# Altium PCB 4G.PcbDoc (continued)
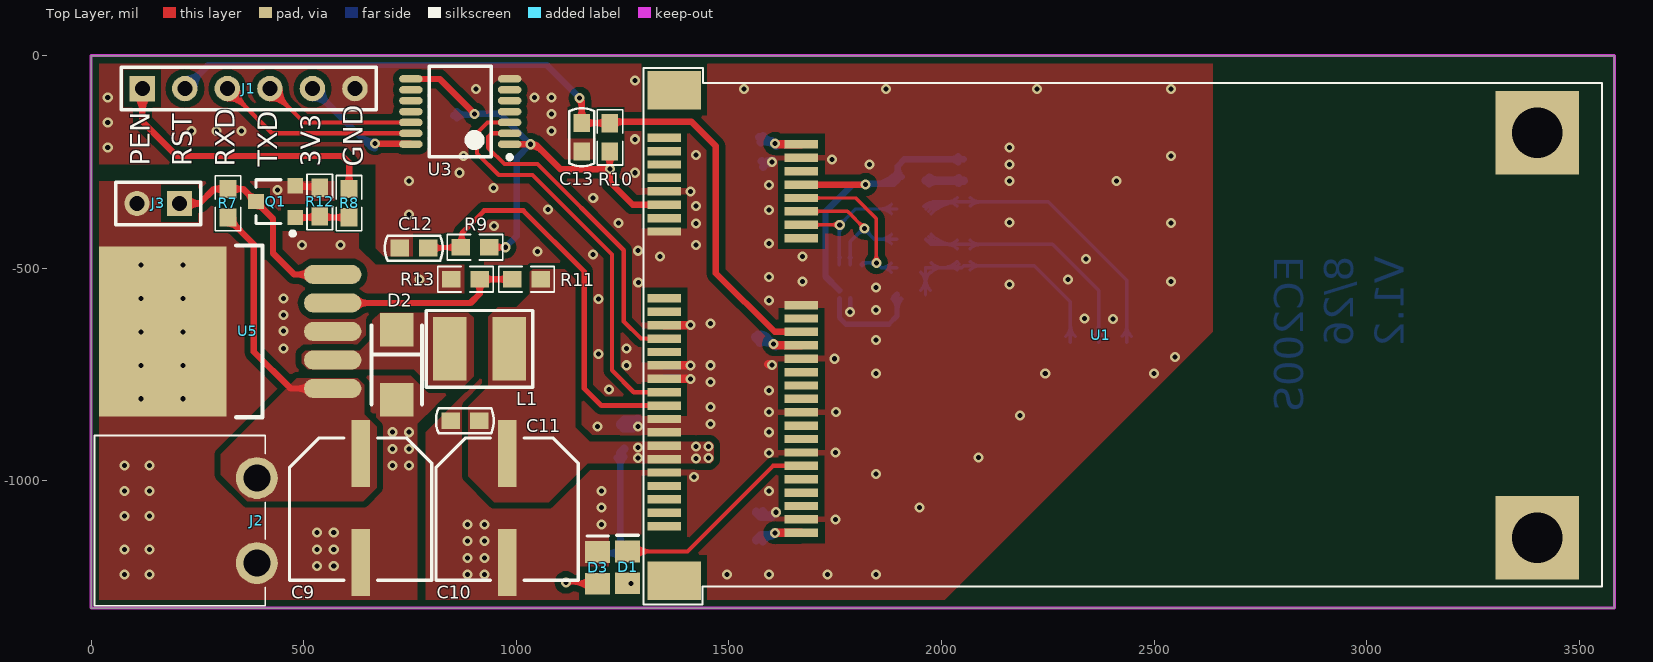
[diagram p0: Top Layer view]
## Nets (pads, with @x,y where several pads share a name; then routed paths per layer and width w, separated by ;. In a path a pad name is that pad's centre, name@x,y a point inside that pad or via, vN(x,y) a via of type N, cw(c..) or ccw(c..) an arc to the next point about the centre after c; other vN are vias at no path point) (continued)
  other v1: 885.83,-1220.47 925.2,-1220.47 1496.06,-1220.47 1594.49,-1220.47 1732.28,-1220.47 1846,-1220.47 885.83,-1181.1 925.2,-1181.1 885.83,-1141.73 925.2,-1141.73 885.83,-1102.36 925.2,-1102.36 1200.79,-1102.36 1751,-1091 1200.79,-1062.99 1948.82,-1062.99 1200.79,-1023.62 1594.49,-1023.62 1846,-984.25 2086.61,-944.88 1594,-935 1751,-933 1594,-885.83 1191.1,-872.14 1286,-872 1456.69,-866.14 2185.04,-846.46 1594,-838 1752,-838 1456.69,-826.77 1594,-787.4 1218,-785 1456.69,-767.72 1846,-748.03 2244.09,-748.03 2500,-748.03 1259.84,-728.35 1456.69,-728.35 1602,-728 1749,-713 2549.21,-708.66 1193,-702 1259.84,-688.98 1846,-669.29 1456.69,-629.92 2403,-620 2336.61,-618.11 1846,-598 1594.69,-575.93 1193,-572 1846,-545 2160,-538 1287,-534 1673.23,-531.5 2539.37,-531.5 2298,-527 1594.69,-520.5 2340,-478 1338.58,-472.44 1673.23,-472.44 1180.1,-467.76 1049.99,-460.76 1286,-459 1423,-446 1594.69,-441.76 947.88,-400.7 1423,-394.7 1240.16,-393.7 2539.37,-393.7 2160,-392.72 748.03,-374.02 1594.69,-363.02 1074.36,-362.02 1423,-354.33 1181.1,-334.65 1409.89,-319.21 947,-312 1594.69,-303.96 748.03,-295.28 2160,-295.28 2411.41,-295.28 866.14,-275.59 1279.53,-275.59 1830.71,-255.91 2160,-255.91 1742.97,-244.91 876,-236 2539.37,-236.22 1423.01,-234.22 39.37,-216.54 2160,-216.54 1279.53,-196.85 236.22,-177.17 295.28,-177.17 354.33,-177.17 1082.68,-177.17 39.37,-157.48 1082.68,-137.8 39.37,-98.43 1043.31,-98.43 1082.68,-98.43 905.51,-78.74 1535.43,-78.74 1870.08,-78.74 2224.41,-78.74 2539.37,-78.74 1279.53,-59.06
NetC2_2: C2.2 R1.2 U2.2 | length 1440.1
  Bottom Layer w8: R1.2 1979.05,-344.21 U2.2 2251.21,-344.21 2435.79,-528.79 C2.2 ; 2013.37,-344.21 cw(c2013.37,-377.33) 2036.78,-353.91 ccw(c2013.37,-377.33) 2013.37,-344.21 ; 2013.37,-344.21 ccw(c2013.37,-311.1) 2036.78,-334.51 cw(c2013.37,-311.1) 2013.37,-344.21 ; 2091.41,-344.21 cw(c2091.41,-311.1) 2067.99,-334.51 ccw(c2091.41,-311.1) 2091.41,-344.21 ; 2091.41,-344.21 ccw(c2091.41,-377.33) 2067.99,-353.91 cw(c2091.41,-377.33) 2091.41,-344.21 ; 2435.79,-633.96 cw(c2397.92,-633.96) 2424.7,-660.73 ccw(c2397.92,-633.96) 2435.79,-633.96 ; 2435.79,-633.95 ccw(c2473.66,-633.95) 2446.88,-660.73 cw(c2473.66,-633.95) 2435.79,-633.95 ; R1.2@1958.56,-354.91 cw(c1984.39,-380.73) 1984.39,-344.21 ccw(c1984.39,-380.73) R1.2@1958.56,-354.91 ; R1.2@1964.22,-360.56 cw(c2003.7,-400.04) 2003.7,-344.21 ccw(c2003.7,-400.04) R1.2@1964.22,-360.56 ; R1.2@1969.88,-366.22 cw(c2023.01,-419.36) 2023.01,-344.21 ccw(c2023.01,-419.36) R1.2@1969.88,-366.22 ; R1.2@1975.54,-371.88 cw(c2042.33,-438.67) 2042.33,-344.21 ccw(c2042.33,-438.67) R1.2@1975.54,-371.88
NetC3_2: C3.2 R2.2 U2.3 | length 1192.7
  Bottom Layer w8: R2.2 1974.9,-444.21 U2.3 2261.21,-444.21 2369.48,-552.48 C3.2 ; 2013.37,-444.21 cw(c2013.37,-477.33) 2036.78,-453.91 ccw(c2013.37,-477.33) 2013.37,-444.21 ; 2013.37,-444.21 ccw(c2013.37,-411.1) 2036.78,-434.51 cw(c2013.37,-411.1) 2013.37,-444.21 ; 2091.41,-444.21 cw(c2091.41,-411.1) 2067.99,-434.51 ccw(c2091.41,-411.1) 2091.41,-444.21 ; 2091.41,-444.21 ccw(c2091.41,-477.33) 2067.99,-453.91 cw(c2091.41,-477.33) 2091.41,-444.21 ; 2369.48,-633.95 cw(c2331.61,-633.95) 2358.39,-660.73 ccw(c2331.61,-633.95) 2369.48,-633.95 ; 2369.48,-633.95 ccw(c2407.35,-633.95) 2380.57,-660.73 cw(c2407.35,-633.95) 2369.48,-633.95 ; R2.2@1964.22,-432.01 ccw(c1993.68,-402.55) 1993.68,-444.21 cw(c1993.68,-402.55) R2.2@1964.22,-432.01 ; R2.2@1969.88,-426.35 ccw(c2013,-383.24) 2013,-444.21 cw(c2013,-383.24) R2.2@1969.88,-426.35 ; R2.2@1975.54,-420.7 ccw(c2032.31,-363.92) 2032.31,-444.21 cw(c2032.31,-363.92) R2.2@1975.54,-420.7
NetC4_1: C4.1 R3.2 R4.1 U2.6 | length 1266.5
  Bottom Layer w8: R4.1 R3.2 2047.81,-498.79 U2.6 2218.34,-494.21 2303.23,-579.1 C4.1 ; 1962.48,-536.65 cw(c2000.34,-536.65) 1973.57,-509.88 ccw(c2000.34,-536.65) 1962.48,-536.65 ; 1962.48,-536.65 ccw(c1924.61,-536.65) 1951.38,-509.88 cw(c1924.61,-536.65) 1962.48,-536.65 ; 1962.48,-524.8 cw(c1924.61,-524.8) 1951.38,-551.58 ccw(c1924.61,-524.8) 1962.48,-524.8 ; 1962.48,-524.8 ccw(c2000.34,-524.8) 1973.57,-551.58 cw(c2000.34,-524.8) 1962.48,-524.8 ; 2002.31,-498.79 cw(c2002.31,-460.92) 1975.54,-487.7 ccw(c2002.31,-460.92) 2002.31,-498.79 ; 2002.31,-498.79 ccw(c2002.31,-536.65) 1975.54,-509.88 cw(c2002.31,-536.65) 2002.31,-498.79 ; 2091.41,-494.21 cw(c2091.41,-461.1) 2067.99,-484.51 ccw(c2091.41,-461.1) 2091.41,-494.21 ; 2091.41,-494.21 ccw(c2091.41,-527.33) 2067.99,-503.91 cw(c2091.41,-527.33) 2091.41,-494.21 ; 2303.23,-633.95 cw(c2265.36,-633.95) 2292.14,-660.73 ccw(c2265.36,-633.95) 2303.23,-633.95 ; 2303.23,-633.95 ccw(c2341.1,-633.95) 2314.32,-660.73 cw(c2341.1,-633.95) 2303.23,-633.95 ; 2002.32,-498.79 ccw(c2002.32,-450.05) 2036.78,-484.51 cw(c2002.32,-450.05) 2002.32,-498.79 ; 2021.64,-498.79 ccw(c2021.64,-469.37) 2042.44,-490.17 cw(c2021.64,-469.37) 2021.64,-498.79 ; 2024.41,-498.79 cw(c2024.41,-516.28) 2036.78,-503.91 ccw(c2024.41,-516.28) 2024.41,-498.79
NetD1_1: D1.1 R5.2 | length 90.3
  Bottom Layer w8: R5.2@1239.55,-1237.56 1241.9,-1239.91 v1@1269.68,-1239.91 ; R5.2@1245.48,-1239.91 cw(c1245.48,-1266.33) 1264.16,-1247.65 ccw(c1245.48,-1266.33) R5.2@1245.48,-1239.91 ; R5.2@1256.18,-1239.91 ccw(c1256.18,-1228.62) 1264.16,-1236.6 cw(c1256.18,-1228.62) R5.2@1256.18,-1239.91
  other v1: 1269.68,-1242.13
NetD1_2: D1.2 U1.42 | length 695.2
  Top Layer w10: D1.2@1251.77,-1166.09 1402.81,-1166.09 1604.02,-964.88 U1.42 ; 1315.41,-1166.09 cw(c1315.41,-1116.38) 1280.26,-1151.53 ccw(c1315.41,-1116.38) 1315.41,-1166.09 ; 1315.41,-1166.09 ccw(c1315.41,-1215.8) 1280.26,-1180.65 cw(c1315.41,-1215.8) 1315.41,-1166.09 ; 1629.49,-964.88 cw(c1629.49,-976.57) 1637.76,-968.3 ccw(c1629.49,-976.57) 1629.49,-964.88 ; 1629.49,-964.88 ccw(c1629.49,-953.19) 1637.76,-961.46 cw(c1629.49,-953.19) 1629.49,-964.88
NetD2_2: D2.2 L1.1 U5.2
NetD3_1: D3.1 R15.1 | length 672.6
  Top Layer w8: D3.1@1191.44,-1240.11 1128.74,-1240.11 ; 1128.74,-1240.11 cw(c1128.74,-1235.55) 1124.38,-1236.87 ccw(c1128.74,-1235.55) 1128.74,-1240.11 ; 1128.74,-1240.11 ccw(c1128.74,-1245.99) 1123.66,-1243.04 cw(c1128.74,-1245.99) 1128.74,-1240.11 ; v1@1122.42,-1244.65 cw(c1133.38,-1255.61) 1133.38,-1240.11 ccw(c1133.38,-1255.61) v1@1122.42,-1244.65 ; v1@1122.42,-1233.61 ccw(c1138.13,-1217.89) 1138.13,-1240.11 cw(c1138.13,-1217.89) v1@1122.42,-1233.61 ; 1130.55,-1240.11 cw(c1130.55,-1299.07) 1172.24,-1257.38 ccw(c1130.55,-1299.07) 1130.55,-1240.11 ; 1140.21,-1240.11 ccw(c1140.21,-1194.82) 1172.24,-1226.85 cw(c1140.21,-1194.82) 1140.21,-1240.11 ; 1149.87,-1240.11 cw(c1149.87,-1279.75) 1177.9,-1251.72 ccw(c1149.87,-1279.75) 1149.87,-1240.11 ; 1159.52,-1240.11 ccw(c1159.52,-1214.13) 1177.9,-1232.5 cw(c1159.52,-1214.13) 1159.52,-1240.11
  Bottom Layer w8: v1(1116.9,-1239.13) 1160.77,-1239.13 R15.1@1163.98,-1235.92 ; 1135.76,-1239.13 cw(c1135.76,-1220.27) 1122.42,-1233.61 ccw(c1135.76,-1220.27) 1135.76,-1239.13 ; 1135.76,-1239.13 ccw(c1135.76,-1257.99) 1122.42,-1244.65 cw(c1135.76,-1257.99) 1135.76,-1239.13 ; 1141.27,-1239.13 cw(c1141.27,-1279.6) 1169.89,-1250.98 ccw(c1141.27,-1279.6) 1141.27,-1239.13 ; 1144.95,-1239.13 ccw(c1144.95,-1203.87) 1169.89,-1228.8 cw(c1144.95,-1203.87) 1144.95,-1239.13 ; 1160.58,-1239.13 cw(c1160.58,-1260.29) 1175.54,-1245.33 ccw(c1160.58,-1260.29) 1160.58,-1239.13
NetQ1_1: Q1.1 R8.2 R12.1 | length 481.4
  Top Layer w15: Q1.1 480.57,-380.86 606.69,-380.86 R8.2 ; Q1.1@488.6,-388.26 cw(c506.48,-406.14) 506.48,-380.86 ccw(c506.48,-406.14) Q1.1@488.6,-388.26 ; Q1.1@488.6,-373.82 ccw(c505.6,-356.81) 505.6,-380.86 cw(c505.6,-356.81) Q1.1@488.6,-373.82 ; 505.86,-380.86 ccw(c505.86,-347.78) 529.24,-371.17 cw(c505.86,-347.78) 505.86,-380.86 ; 511.03,-380.86 cw(c511.03,-406.62) 529.24,-388.4 ccw(c511.03,-406.62) 511.03,-380.86 ; R12.1@546.47,-388.4 cw(c564.69,-406.62) 564.69,-380.86 ccw(c564.69,-406.62) R12.1@546.47,-388.4 ; R12.1@546.47,-371.17 ccw(c569.86,-347.78) 569.86,-380.86 cw(c569.86,-347.78) R12.1@546.47,-371.17 ; 577.02,-380.86 ccw(c577.02,-350.82) 598.26,-372.06 cw(c577.02,-350.82) 577.02,-380.86 ; 577.89,-380.86 cw(c577.89,-409.66) 598.26,-389.29 ccw(c577.89,-409.66) 577.89,-380.86
NetR11_2: R11.2 R13.2 U5.4 | length 856.3
  Top Layer w15: U5.4 892.37,-581.85 914.27,-559.96 R13.2 R11.2 ; 649.58,-581.85 cw(c649.58,-545.64) 623.98,-571.25 ccw(c649.58,-545.64) 649.58,-581.85 ; 649.58,-581.85 ccw(c649.58,-618.07) 623.98,-592.46 cw(c649.58,-618.07) 649.58,-581.85 ; 914.27,-555.57 cw(c943.69,-555.57) 922.89,-534.77 ccw(c943.69,-555.57) 914.27,-555.57 ; 914.27,-555.57 ccw(c884.86,-555.57) 905.66,-534.77 cw(c884.86,-555.57) 914.27,-555.57 ; 945.66,-526.15 cw(c945.66,-496.74) 924.86,-517.54 ccw(c945.66,-496.74) 945.66,-526.15 ; 945.66,-526.15 ccw(c945.66,-555.57) 924.86,-534.77 cw(c945.66,-555.57) 945.66,-526.15 ; 959.4,-526.15 cw(c959.4,-555.57) 980.21,-534.77 ccw(c959.4,-555.57) 959.4,-526.15 ; 959.4,-526.15 ccw(c959.4,-496.74) 980.21,-517.54 cw(c959.4,-496.74) 959.4,-526.15
POWER_EN: J1.1 R8.1 | length 928.2
  Top Layer w15: J1.1 120.75,-154.97 201.99,-236.22 590.55,-236.22 606.87,-252.54 R8.1 ; 120.75,-131.93 cw(c175.07,-131.93) 136.66,-93.52 ccw(c175.07,-131.93) 120.75,-131.93 ; 120.75,-131.93 ccw(c66.43,-131.93) 104.84,-93.52 cw(c66.43,-131.93) 120.75,-131.93 ; 606.87,-282.36 cw(c577.46,-282.36) 598.26,-303.16 ccw(c577.46,-282.36) 606.87,-282.36 ; 606.87,-282.36 ccw(c636.29,-282.36) 615.49,-303.16 cw(c636.29,-282.36) 606.87,-282.36
POWER_EN_OUT: J3.1 Q1.3 R7.2 U5.5 | length 1099.4
  Top Layer w15: J3.1 255.57,-347.66 ; U5.5 477.63,-514.85 428,-465.23 428,-383.76 399.07,-354.84 399.07,-353.85 388.86,-343.64 Q1.3 386.89,-343.64 376.67,-333.42 376.67,-332.44 358.08,-313.84 289.39,-313.84 255.57,-347.66 ; 255.57,-347.66 cw(c255.57,-307.56) 224.94,-333.44 ccw(c255.57,-307.56) 255.57,-347.66 ; 255.57,-347.66 ccw(c255.57,-387.75) 224.94,-361.87 cw(c255.57,-387.75) 255.57,-347.66 ; 292.71,-313.84 cw(c292.71,-343.26) 313.51,-322.46 ccw(c292.71,-343.26) 292.71,-313.84 ; 292.71,-313.84 ccw(c292.71,-284.43) 313.51,-305.23 cw(c292.71,-284.43) 292.71,-313.84 ; 351.54,-313.84 cw(c351.54,-284.43) 330.74,-305.23 ccw(c351.54,-284.43) 351.54,-313.84 ; 351.54,-313.84 ccw(c351.54,-343.26) 330.74,-322.46 cw(c351.54,-343.26) 351.54,-313.84 ; 487.16,-514.85 cw(c487.16,-551.07) 512.76,-525.46 ccw(c487.16,-551.07) 487.16,-514.85 ; 487.16,-514.85 ccw(c487.16,-478.64) 512.76,-504.25 cw(c487.16,-478.64) 487.16,-514.85 ; 368.75,-324.52 cw(c349.63,-343.64) 376.67,-343.64 ccw(c349.63,-343.64) 368.75,-324.52 ; Q1.3@371.13,-326.89 ccw(c386.89,-311.13) 386.89,-333.42 cw(c386.89,-311.13) Q1.3@371.13,-326.89 ; Q1.3@388.86,-353.85 cw(c388.86,-376.14) 404.62,-360.38 ccw(c388.86,-376.14) Q1.3@388.86,-353.85 ; Q1.3@399.07,-343.64 ccw(c426.12,-343.64) 406.99,-362.76 cw(c426.12,-343.64) Q1.3@399.07,-343.64
RST_KEY: C12.2 R9.1 U1.33 | length 1268.8
  Top Layer w12: C12.2 793.82,-451.73 868.64,-451.73 872.29,-448.08 872.29,-417.33 ; U1.33 1347.82,-823.09 1200.15,-823.09 1160,-782.94 1160,-507.94 1016.76,-364.7 924.91,-364.7 872.29,-417.33 ; 872.29,-417.33 cw(c839.96,-417.33) 862.16,-440.83 ccw(c839.96,-417.33) 872.29,-417.33 ; C12.2@804.41,-462.46 cw(c830.32,-488.37) 830.32,-451.73 ccw(c830.32,-488.37) C12.2@804.41,-462.46 ; C12.2@804.41,-443.11 ccw(c825.22,-422.29) 825.22,-451.73 cw(c825.22,-422.29) C12.2@804.41,-443.11 ; 832.3,-451.73 ccw(c832.3,-415.46) 857.94,-441.11 cw(c832.3,-415.46) 832.3,-451.73 ; 836.86,-451.73 cw(c836.86,-481.54) 857.94,-460.46 ccw(c836.86,-481.54) 836.86,-451.73 ; 872.29,-419.51 ccw(c902.82,-419.51) 881.23,-441.11 cw(c902.82,-419.51) 872.29,-419.51
RST_MCU: C13.1 J1.2 R10.2 U1.22 | length 2527.1
  Top Layer w15: v1(1149.18,-99.97) 1149.18,-102.3 1154.25,-107.37 C13.1 1154.31,-158.71 1215.29,-158.71 R10.2@1219.76,-154.25 ; R10.2@1219.23,-155.23 1412,-155.23 1469.49,-212.72 1469.49,-511.72 1607.69,-649.92 U1.22 ; 1154.25,-127.27 cw(c1124.83,-127.27) 1145.63,-148.07 ccw(c1124.83,-127.27) 1154.25,-127.27 ; 1154.25,-127.27 ccw(c1183.67,-127.27) 1162.87,-148.07 cw(c1183.67,-127.27) 1154.25,-127.27 ; v1@1146.13,-103.01 cw(c1126.53,-122.62) 1154.25,-122.62 ccw(c1126.53,-122.62) v1@1146.13,-103.01 ; C13.1@1162.87,-167.27 cw(c1183.52,-187.92) 1183.52,-158.71 ccw(c1183.52,-187.92) C13.1@1162.87,-167.27 ; C13.1@1162.87,-150.03 ccw(c1183.82,-129.08) 1183.82,-158.71 cw(c1183.82,-129.08) C13.1@1162.87,-150.03 ; 1190.66,-158.71 cw(c1190.66,-188.34) 1211.61,-167.39 ccw(c1190.66,-188.34) 1190.66,-158.71 ; 1190.96,-158.71 ccw(c1190.96,-129.51) 1211.61,-150.16 cw(c1190.96,-129.51) 1190.96,-158.71 ; R10.2@1228.85,-165.42 cw(c1253.46,-190.03) 1253.46,-155.23 ccw(c1253.46,-190.03) R10.2@1228.85,-165.42 ; R10.2@1228.85,-148.19 ccw(c1245.84,-131.2) 1245.84,-155.23 cw(c1245.84,-131.2) R10.2@1228.85,-148.19
  Bottom Layer w15: J1.2 276.13,-22.23 1071.44,-22.23 v1(1149.18,-99.97) ; 259.16,-39.2 cw(c220.75,-0.79) 220.75,-55.11 ccw(c220.75,-0.79) 259.16,-39.2 ; 259.16,-39.2 ccw(c297.57,-77.61) 243.25,-77.61 cw(c297.57,-77.61) 259.16,-39.2
RXD: J1.3 U3.13 | length 807.8
  Top Layer w10: J1.3 426.1,-182.97 U3.13 ; 346.35,-103.21 cw(c371.96,-77.61) 335.75,-77.61 ccw(c371.96,-77.61) 346.35,-103.21 ; 346.35,-103.21 ccw(c320.75,-128.82) 320.75,-92.61 cw(c320.75,-128.82) 346.35,-103.21 ; 363.42,-120.29 cw(c406.1,-77.61) 345.75,-77.61 ccw(c406.1,-77.61) 363.42,-120.29 ; 363.42,-120.29 ccw(c320.75,-162.96) 320.75,-102.61 cw(c320.75,-162.96) 363.42,-120.29 ; 724.29,-182.97 cw(c724.29,-192.28) 730.88,-185.69 ccw(c724.29,-192.28) 724.29,-182.97 ; 724.29,-182.97 ccw(c724.29,-173.65) 730.88,-180.24 cw(c724.29,-173.65) 724.29,-182.97
SIM: C1.1 R4.2 U1.8 U2.1 U4.3 | length 1388.5
  Top Layer w15: U1.8 v1(1821.6,-303.46)
  Bottom Layer w12: U4.3 1759.84,-616.14 1775.59,-631.89 1875.98,-631.89 1895.55,-612.32 R4.2 ; 1895.55,-595.71 cw(c1928.59,-595.71) 1905.22,-572.35 ccw(c1928.59,-595.71) 1895.55,-595.71 ; 1895.55,-595.71 ccw(c1862.51,-595.71) 1885.87,-572.35 cw(c1862.51,-595.71) 1895.55,-595.71
  Bottom Layer w15: U4.3@1759.84,-552.17 1727.36,-519.68 1727.36,-367.13 1790.76,-303.72 1821.34,-303.72 v1(1821.6,-303.46) 1823.25,-301.81 1887.48,-301.81 C1.1 1896.83,-292.46 1896.83,-260.23 1912.85,-244.21 U2.1 ; R4.2@1888.33,-569.88 R4.2 ; 2021.82,-244.21 cw(c2021.82,-268.88) 2039.26,-251.44 ccw(c2021.82,-268.88) 2021.82,-244.21 ; 2021.82,-244.21 ccw(c2021.82,-219.55) 2039.26,-236.99 cw(c2021.82,-219.55) 2021.82,-244.21 ; v1@1824.65,-306.51 cw(c1835.99,-317.85) 1835.99,-301.81 ccw(c1835.99,-317.85) v1@1824.65,-306.51 ; 1844.57,-301.81 ccw(c1844.57,-244.57) 1885.04,-285.05 cw(c1844.57,-244.57) 1844.57,-301.81 ; C1.1@1888.98,-285.05 ccw(c1870.02,-266.09) 1896.83,-266.09 cw(c1870.02,-266.09) C1.1@1888.98,-285.05 ; 1896.83,-262.4 ccw(c1928.85,-262.4) 1906.21,-285.05 cw(c1928.85,-262.4) 1896.83,-262.4
SIM_CLK: R2.1 U1.12 U4.5 | length 715.9
  Top Layer w8: U1.12 1779.06,-366.45 1818.25,-405.65 v1(1818.83,-406.23) ; 1714.34,-366.45 cw(c1714.34,-352.35) 1704.37,-362.32 ccw(c1714.34,-352.35) 1714.34,-366.45 ; 1714.34,-366.45 ccw(c1714.34,-380.56) 1704.37,-370.58 cw(c1714.34,-380.56) 1714.34,-366.45 ; 1805.5,-392.89 cw(c1792.16,-406.23) 1811.02,-406.23 ccw(c1792.16,-406.23) 1805.5,-392.89 ; 1805.5,-392.89 ccw(c1818.83,-379.56) 1818.83,-398.42 cw(c1818.83,-379.56) 1805.5,-392.89
  Bottom Layer w8: U4.5 1785.43,-437.31 1816.51,-406.23 1816.66,-406.23 1842.22,-431.79 R2.1 ; 1785.43,-470.39 cw(c1778.45,-470.39) 1783.39,-475.32 ccw(c1778.45,-470.39) 1785.43,-470.39 ; 1785.43,-470.39 ccw(c1792.41,-470.39) 1787.47,-475.32 cw(c1792.41,-470.39) 1785.43,-470.39 ; v1@1818.83,-414.04 cw(c1818.83,-427.65) 1828.46,-418.03 ccw(c1818.83,-427.65) v1@1818.83,-414.04 ; v1@1818.83,-414.04 ccw(c1818.83,-438.49) 1801.54,-421.2 cw(c1818.83,-438.49) v1@1818.83,-414.04 ; 1855.71,-431.79 cw(c1855.71,-469.65) 1882.49,-442.88 ccw(c1855.71,-469.65) 1855.71,-431.79 ; 1855.71,-431.79 ccw(c1855.71,-393.92) 1882.49,-420.7 cw(c1855.71,-393.92) 1855.71,-431.79 ; 1807.14,-415.6 ccw(c1797.76,-406.23) 1811.02,-406.23 cw(c1797.76,-406.23) 1807.14,-415.6 ; v1@1826.64,-406.23 ccw(c1850.75,-406.23) 1833.7,-423.27 cw(c1850.75,-406.23) v1@1826.64,-406.23
SIM_DATA: R3.1 U1.10 U4.6 | length 698
  Top Layer w8: U1.10 1798.54,-334.96 1846.83,-383.25 v1(1846.83,-487.51) ; 1714.34,-334.96 cw(c1714.34,-320.85) 1704.37,-330.83 ccw(c1714.34,-320.85) 1714.34,-334.96 ; 1714.34,-334.96 ccw(c1714.34,-349.06) 1704.37,-339.09 cw(c1714.34,-349.06) 1714.34,-334.96 ; 1846.83,-468.66 cw(c1827.97,-468.66) 1841.31,-481.99 ccw(c1827.97,-468.66) 1846.83,-468.66 ; 1846.83,-468.66 ccw(c1865.69,-468.66) 1852.36,-481.99 cw(c1865.69,-468.66) 1846.83,-468.66
  Bottom Layer w8: U4.6 1811.02,-491.11 1814.62,-487.51 v1(1846.83,-487.51) 1858.11,-498.79 ; R3.1 1858.11,-498.79 ; 1827.97,-487.51 cw(c1827.97,-506.37) 1841.31,-493.04 ccw(c1827.97,-506.37) 1827.97,-487.51 ; 1827.97,-487.51 ccw(c1827.97,-468.66) 1841.31,-481.99 cw(c1827.97,-468.66) 1827.97,-487.51 ; 1858.11,-498.79 cw(c1858.11,-531.05) 1881.98,-509.34 ccw(c1858.11,-531.05) 1858.11,-498.79 ; 1858.11,-498.79 ccw(c1858.11,-466.52) 1881.98,-488.23 cw(c1858.11,-466.52) 1858.11,-498.79 ; U4.6@1813.06,-494.17 cw(c1829.13,-510.24) 1829.13,-487.51 ccw(c1829.13,-510.24) U4.6@1813.06,-494.17
SIM_RST: R1.1 U1.14 U4.4 | length 697.7
  Top Layer w8: U1.14 v1(1760.82,-397.95) ; 1714.34,-397.95 cw(c1714.34,-383.84) 1704.37,-393.82 ccw(c1714.34,-383.84) 1714.34,-397.95 ; 1714.34,-397.95 ccw(c1714.34,-412.05) 1704.37,-402.08 cw(c1714.34,-412.05) 1714.34,-397.95 ; 1741.97,-397.95 cw(c1741.97,-416.81) 1755.3,-403.47 ccw(c1741.97,-416.81) 1741.97,-397.95 ; 1741.97,-397.95 ccw(c1741.97,-379.09) 1755.3,-392.43 cw(c1741.97,-379.09) 1741.97,-397.95
  Bottom Layer w8: U4.4 1759.84,-398.93 v1(1760.82,-397.95) 1797.99,-360.79 R1.1 ; 1759.84,-470.39 cw(c1752.86,-470.39) 1757.8,-475.32 ccw(c1752.86,-470.39) 1759.84,-470.39 ; 1759.84,-470.39 ccw(c1766.82,-470.39) 1761.88,-475.32 cw(c1766.82,-470.39) 1759.84,-470.39 ; 1774.16,-384.62 cw(c1760.82,-371.28) 1760.82,-390.14 ccw(c1760.82,-371.28) 1774.16,-384.62 ; 1774.16,-384.62 ccw(c1787.49,-397.95) 1768.64,-397.95 cw(c1787.49,-397.95) 1774.16,-384.62 ; 1855.71,-360.79 cw(c1855.71,-398.65) 1882.49,-371.88 ccw(c1855.71,-398.65) 1855.71,-360.79 ; 1855.71,-360.79 ccw(c1855.71,-322.92) 1882.49,-349.7 cw(c1855.71,-322.92) 1855.71,-360.79 ; v1@1755.3,-403.47 cw(c1744.34,-414.43) 1759.84,-414.43 ccw(c1744.34,-414.43) v1@1755.3,-403.47 ; 1759.84,-419.18 cw(c1782.06,-419.18) 1766.35,-403.47 ccw(c1782.06,-419.18) 1759.84,-419.18
TXD: J1.4 U3.12 | length 697.2
  Top Layer w10: J1.4 500.51,-157.38 U3.12 ; 446.35,-103.21 cw(c471.96,-77.61) 435.75,-77.61 ccw(c471.96,-77.61) 446.35,-103.21 ; 446.35,-103.21 ccw(c420.75,-128.82) 420.75,-92.61 cw(c420.75,-128.82) 446.35,-103.21 ; 463.42,-120.29 cw(c506.1,-77.61) 445.75,-77.61 ccw(c506.1,-77.61) 463.42,-120.29 ; 463.42,-120.29 ccw(c420.75,-162.96) 420.75,-102.61 cw(c420.75,-162.96) 463.42,-120.29 ; 724.29,-157.38 cw(c724.29,-166.69) 730.88,-160.1 ccw(c724.29,-166.69) 724.29,-157.38 ; 724.29,-157.38 ccw(c724.29,-148.06) 730.88,-154.65 cw(c724.29,-148.06) 724.29,-157.38
VIN: C9.1 J2.2 R7.1 U5.1 | length 768.1
  Top Layer w15: R7.1 322.13,-382.74 383,-443.61 383,-696.23 469.63,-782.85 U5.1 ; 342.93,-403.54 cw(c363.73,-382.74) 334.31,-382.74 ccw(c363.73,-382.74) 342.93,-403.54 ; 342.93,-403.54 ccw(c322.13,-424.34) 322.13,-394.93 cw(c322.13,-424.34) 342.93,-403.54 ; 487.16,-782.85 cw(c487.16,-819.07) 512.76,-793.46 ccw(c487.16,-819.07) 487.16,-782.85 ; 487.16,-782.85 ccw(c487.16,-746.64) 512.76,-772.25 cw(c487.16,-746.64) 487.16,-782.85
pads on no net: U1.0 U1.1 U1.3 U1.5 U1.6 U1.7 U1.13 U1.16 U1.17 U1.19 U1.20 U1.25 U1.28 U1.30 U1.32 U1.36 U1.38 U1.44 U1.45 U1.46 U1.47 U1.48 U1.49 U1.51 U2.0 U2.5 U3.4 U3.5 U3.6 U3.9 U3.10 U3.11 U4.1

## Polygon pours and split planes (outlines as drawn)
no net on Top Layer "NONET_L01_P026" (solid, remove dead copper, pour order 26): 0,-295.28
3V8 on Top Layer "Top Layer-3V8" (solid, remove dead copper, pour order 25): 886.81,-989.17 947.83,-1050.2 1076.77,-1050.2 1167.32,-959.65 1388,-959 1456.42,-959.58 1464,-952 1464,-914 1457.48,-907.48 1293.45,-908.5 1172.24,-907.48 1138.78,-874.02 1138.78,-526.57 1114.17,-501.97 1038.39,-501.97 1031.5,-508.86 1031.5,-560.04 1000,-591.54 956.69,-591.54 934.06,-614.17 934.06,-777.56 886.81,-824.8
no net on Top Layer "NONET_L01_P023" (solid, remove dead copper, pour order 23): 1426.18,-972.44
NetD2_2 on Top Layer "NETD2_2_L01_P020" (solid, remove dead copper, pour order 20): 495.08,-702.76 495.08,-723.43 509.84,-738.19 758.86,-738.19 799.21,-778.54 875,-778.54 899.61,-753.94 899.61,-617.13 886.81,-604.33 680.12,-604.33 661.42,-623.03 661.42,-664.37 631.89,-693.9 503.94,-693.9
VIN on Top Layer "VIN_L01_P019" (solid, remove dead copper, pour order 19): 305.12,-937.99 305.12,-986.22 367.13,-1048.23 640.75,-1048.23 672.24,-1016.73 672.24,-873.03 642.72,-843.5 642.72,-774.61 626.97,-758.86 484.25,-758.86
no net on Top Layer "NONET_L01_P005" (solid, remove dead copper, pour order 5): 0,-255.91
AGND on Top Layer "AGND_TOP" (solid, remove dead copper, pour order 27): 0,-295.28 629.92,-295.28 629.92,-452.76 669.29,-492.13 885.83,-492.13 885.83,-748.03 767.72,-866.14 767.72,-1299.21 0,-1299.21
GND_4G on Top Layer "DGND_TOP" (solid, remove dead copper, pour order 31): 0,0 2637.8,0 2637.8,-649.61 1988.19,-1299.21 787.4,-1299.21 787.4,-885.83 925.2,-748.03 925.2,-472.44 688.98,-472.44 669.29,-452.76 669.29,-255.91 0,-255.91
3V8 on Bottom Layer "3V8_L02_P022" (solid, remove dead copper, pour order 29): 1601.38,-164.37 1619.09,-182.09 1619.09,-216.54 1613.19,-222.44 1547.24,-222.44 1538.39,-231.3 1538.39,-609.25 1565.94,-636.81 1602.36,-636.81 1620.08,-654.53 1620.08,-687.99 1614.17,-693.9 1539.37,-693.9 1531.5,-701.77 1531.5,-1095.47 1545.28,-1109.25 1613.19,-1109.25 1621.06,-1117.13 1621.06,-1153.54 1604.33,-1170.28 1559.06,-1170.28 1539.37,-1150.59 1539.37,-1139.76 1506.89,-1107.28 1506.89,-991.14 1475.39,-959.65 1416.34,-959.65 1405.51,-948.82 1405.51,-916.34 1418.31,-903.54 1484.25,-903.54 1505.91,-881.89 1505.91,-229.33 1548.23,-187.01 1548.23,-173.23 1557.09,-164.37
AGND on Bottom Layer "AGND_BOTTOM" (solid, pour order 22): 0,-295.28 629.92,-295.28 629.92,-452.76 669.29,-492.13 885.83,-492.13 885.83,-748.03 767.72,-866.14 767.72,-1299.21 0,-1299.21
GND_4G on Bottom Layer "DGND_BOTTOM" (solid, remove dead copper, pour order 32): 0,0 0,-255.91 669.29,-255.91 669.29,-452.76 688.98,-472.44 925.2,-472.44 925.2,-748.03 787.4,-885.83 787.4,-1299.21 1988.19,-1299.21 2637.8,-649.61 2637.8,0
3V8 on Bottom Layer "3V8_L02_P011" (solid, remove dead copper, pour order 11): 1217,-952 1226,-961 1293,-961 1301,-953 1300,-952 1300,-915 1293,-908 1225,-908 1217,-916

## Keep-outs
Keep-Out Layer:
  the board outline again, w7.87

## Other copper
Bottom Layer:
  text "EC200S" at 2874.02,-472.44 h118.11 r90
  text "8/26" at 2992.13,-472.44 h118.11 r90
  text "V1.2" at 3110.24,-472.44 h118.11 r90

## Silkscreen, mask and mechanical layers (free items; w line width, h text height)
Top Overlay:
  text "PEN" at 153,-259.58 h78.74 r90
  text "RST" at 252,-260.16 h78.74 r90
  text "RXD" at 353,-261.11 h78.74 r90
  text "TXD" at 453,-261.11 h78.74 r90
  text "3V3" at 554,-261.11 h78.74 r90
  text "GND" at 654,-261.69 h78.74 r90
Bottom Overlay:
  lines w11.81: 18.7,-1273.62 401.57,-1273.62 455.71,-1273.62 455.71,-890.75 18.7,-890.75 18.7,-1273.62 ; 58,-483.23 242,-483.23 257,-483.23 257,-299.23 58,-299.23 58,-483.23 ; 67,-270.23 67,-38.23 67,-26.23 670,-26.23 670,-270.23 67,-270.23
  text "RXD" at 352.25,-129.73 h78.74 r90
  text "TXD" at 452.25,-129.73 h78.74 r90
  text "3V3" at 553.25,-129.73 h78.74 r90
  text "GND" at 653.25,-129.14 h78.74 r90
  text "RST" at 251.25,-130.67 h78.74 r90
  text "PEN" at 152.25,-131.26 h78.74 r90
  text "PEN" at 215.64,-475.23 h78.74
  text "VCC" at 329.72,-1048.23 h118.11
  text "GND" at 331.69,-1242.13 h118.11
Bottom Solder:
  text "EC200S" at 2874.02,-472.44 h118.11 r90
  text "8/26" at 2992.13,-472.44 h118.11 r90
  text "V1.2" at 3110.24,-472.44 h118.11 r90